# KiCad board pcb.kicad_pcb (continued)
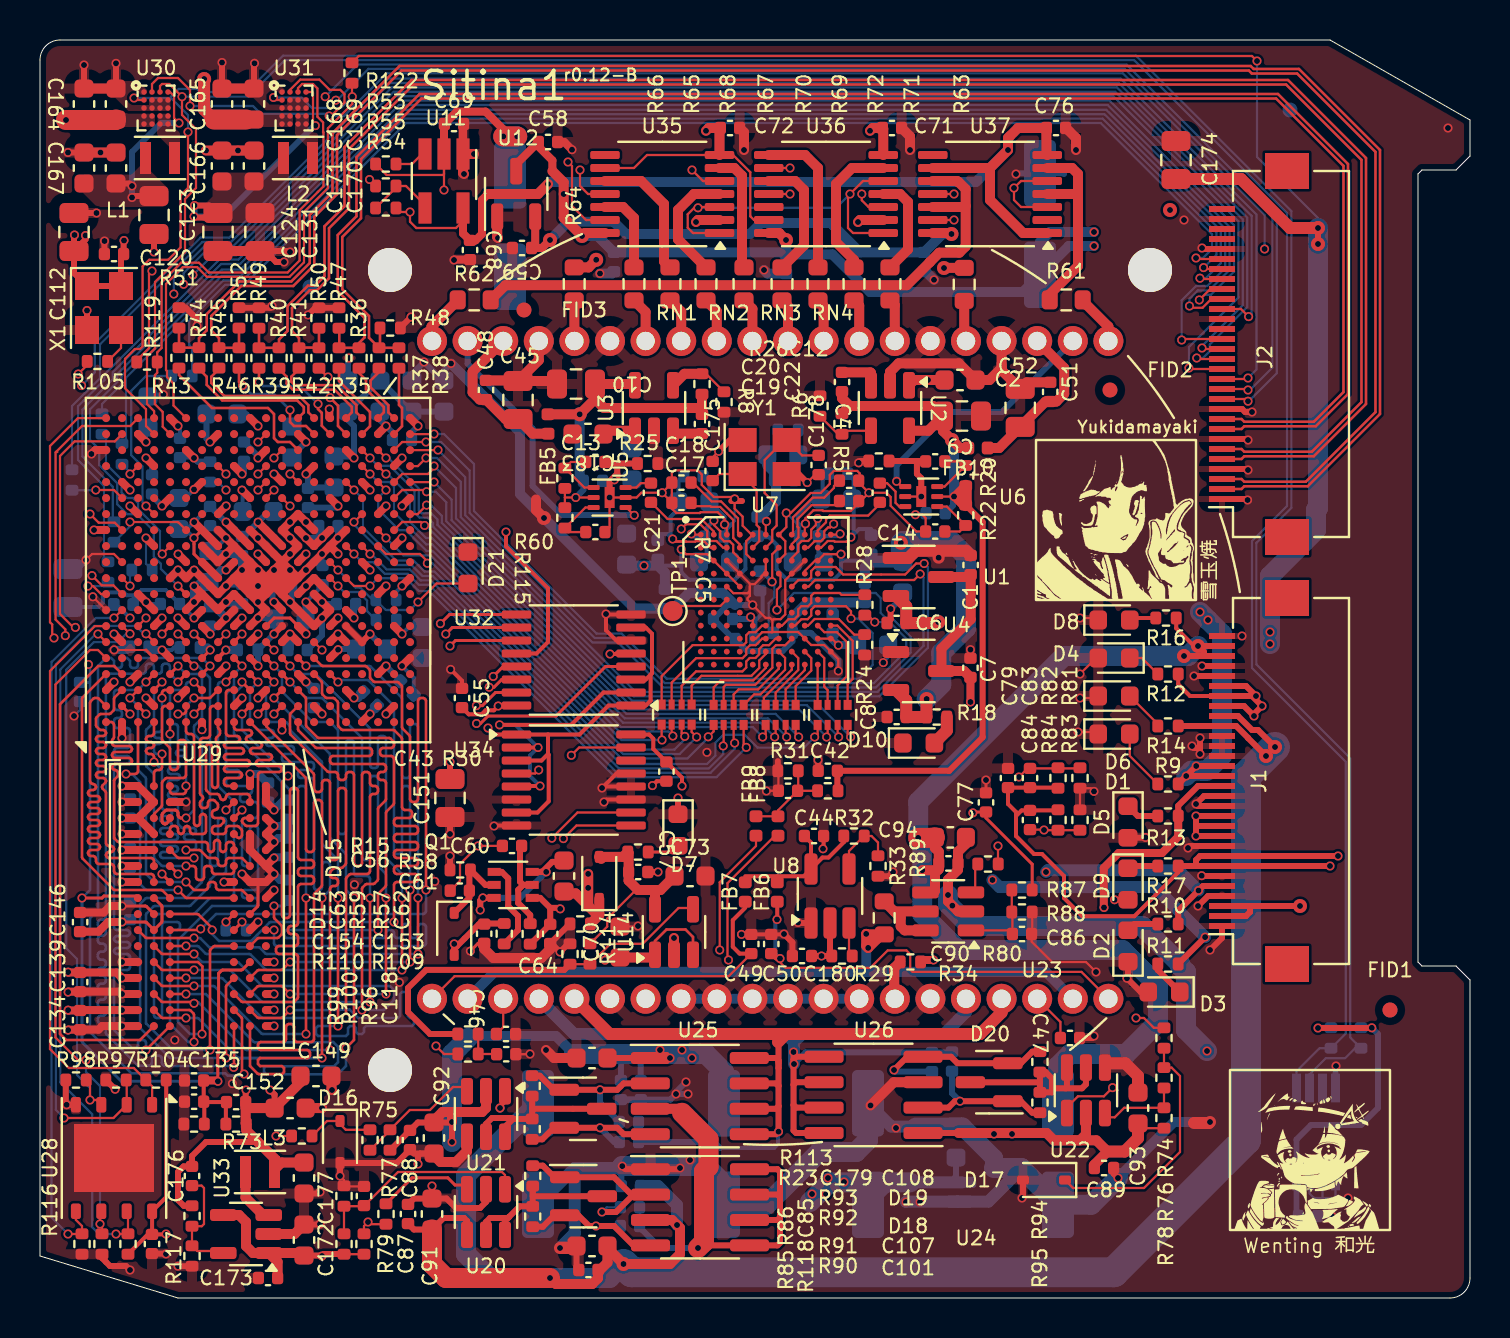
[diagram p0: board, top side]
## Routing (per net, layer and track width the routed paths; a pad name or vN(x,y) marks a point on that pad's centre or on a via; arc(x,y) is an arc through that point) (continued)
/fpga_ddr/DRAM_ADDR5: length 37.9
  Top w0.127: 5.7,15.2 6.07,14.83 arc(6.1,14.81) 6.14,14.8 7.7,14.8 ; 11.3,28.8 11.3,28.64 arc(11.31,28.6) 11.33,28.57 13.67,26.23 arc(13.69,26.2) 13.7,26.16 13.7,25.44 arc(13.71,25.4) 13.73,25.37 13.77,25.33 arc(13.8,25.31) 13.84,25.3 13.96,25.3 arc(14,25.31) 14.03,25.33 14.07,25.37 arc(14.09,25.4) 14.1,25.44 14.1,25.76 arc(14.11,25.8) 14.13,25.83 14.17,25.87 arc(14.2,25.89) 14.24,25.9 14.36,25.9 arc(14.4,25.89) 14.43,25.87 14.47,25.83 arc(14.49,25.8) 14.5,25.76 14.5,22.04 arc(14.51,22) 14.53,21.97 14.57,21.93 arc(14.6,21.91) 14.64,21.9 14.76,21.9 arc(14.8,21.91) 14.83,21.93 14.87,21.97 arc(14.89,22) 14.9,22.04 14.9,25.36 arc(14.91,25.4) 14.93,25.43 14.97,25.47 arc(15,25.49) 15.04,25.5 15.16,25.5 arc(15.2,25.49) 15.23,25.47 15.27,25.43 arc(15.29,25.4) 15.3,25.36 15.3,21.74 arc(15.29,21.7) 15.27,21.67 15.13,21.53 arc(15.1,21.51) 15.06,21.5 14.74,21.5 arc(14.7,21.49) 14.67,21.47 14.53,21.33 arc(14.51,21.3) 14.5,21.26 14.5,21.14 arc(14.51,21.1) 14.53,21.07 14.57,21.03 arc(14.6,21.01) 14.64,21 14.76,21 arc(14.8,20.99) 14.83,20.97 14.87,20.93 arc(14.89,20.9) 14.9,20.86 14.9,20.74 arc(14.89,20.7) 14.87,20.67 14.83,20.63 arc(14.8,20.61) 14.76,20.6 14.64,20.6 arc(14.6,20.59) 14.57,20.57 14.53,20.53 arc(14.51,20.5) 14.5,20.46 v1(14.5,12.4)
  Bottom w0.127: v1(14.5,12.4) 10.34,12.4 arc(10.3,12.41) 10.27,12.43 7.93,14.77 arc(7.9,14.79) 7.86,14.8 7.7,14.8 7.7,14.74 v1(7.7,14.74)
/fpga_ddr/DRAM_ADDR6: length 38.5
  Top w0.127: v1(12.5,14.4) 12.13,14.03 arc(12.1,14.01) 12.06,14 10.94,14 arc(10.9,14.01) 10.87,14.03 10.5,14.4 ; v1(14.9,13.6) v1(14.9,20)
  Top w0.15: 11.3,31.2 v1(11.7,30.8)
  Bottom w0.127: v1(11.7,30.8) 11.3,30.4 11.3,29.04 arc(11.31,29) 11.33,28.97 11.47,28.83 arc(11.5,28.81) 11.54,28.8 12.26,28.8 arc(12.3,28.79) 12.33,28.77 12.47,28.63 arc(12.49,28.6) 12.5,28.56 12.5,28.44 arc(12.51,28.4) 12.53,28.37 14.07,26.83 arc(14.09,26.8) 14.1,26.76 14.1,22.74 arc(14.11,22.7) 14.13,22.67 14.87,21.93 arc(14.89,21.9) 14.9,21.86 v1(14.9,20) ; v1(14.9,13.6) 13.9,13.6 13.8,13.5 13.8,13.2 13.9,13.1 15.3,13.1 15.4,13.2 15.4,13.5 15.5,13.6 15.7,13.6 15.8,13.5 15.8,13.3 15.9,13.2 16.1,13.2 16.2,13.3 16.2,13.5 16.3,13.6 18.6,13.6 18.7,13.7 18.7,13.9 18.6,14 18.5,14 18.4,14.1 18.4,15.2 18.3,15.3 18.1,15.3 18,15.2 18,14.1 17.9,14 15.9,14 15.48,14.42 15.01,14.42 14.98,14.4 12.5,14.4
/fpga_ddr/DRAM_ADDR7: length 38.1
  Top w0.127: v1(14.1,12) v1(14.1,20) ; v1(7.3,14) 6.14,14 arc(6.1,14.01) 6.07,14.03 5.7,14.4
  Top w0.15: v1(10.9,30.8) 10.5,31.2
  Bottom w0.127: v1(7.3,14) 7.86,14 arc(7.9,13.99) 7.93,13.97 9.87,12.03 arc(9.9,12.01) 9.94,12 ; v1(14.1,20) 14.47,20.37 arc(14.49,20.4) 14.5,20.44 14.5,21.66 arc(14.49,21.7) 14.47,21.73 14.43,21.77 arc(14.4,21.79) 14.36,21.8 14.24,21.8 arc(14.2,21.79) 14.17,21.77 14.13,21.73 arc(14.11,21.7) 14.1,21.66 14.1,20.54 arc(14.09,20.5) 14.07,20.47 14.03,20.43 arc(14,20.41) 13.96,20.4 13.84,20.4 arc(13.8,20.41) 13.77,20.43 13.73,20.47 arc(13.71,20.5) 13.7,20.54 13.7,25.86 arc(13.69,25.9) 13.67,25.93 13.63,25.97 arc(13.6,25.99) 13.56,26 13.04,26 arc(13,26.01) 12.97,26.03 12.93,26.07 arc(12.91,26.1) 12.9,26.14 12.9,26.26 arc(12.91,26.3) 12.93,26.33 12.97,26.37 arc(13,26.39) 13.04,26.4 13.56,26.4 arc(13.6,26.41) 13.63,26.43 13.67,26.47 arc(13.69,26.5) 13.7,26.54 13.7,26.66 arc(13.69,26.7) 13.67,26.73 13.63,26.77 arc(13.6,26.79) 13.56,26.8 12.24,26.8 arc(12.2,26.81) 12.17,26.83 12.13,26.87 arc(12.11,26.9) 12.1,26.94 12.1,27.06 arc(12.11,27.1) 12.13,27.13 12.17,27.17 arc(12.2,27.19) 12.24,27.2 12.56,27.2 arc(12.6,27.21) 12.63,27.23 12.67,27.27 arc(12.69,27.3) 12.7,27.34 12.7,27.46 arc(12.69,27.5) 12.67,27.53 12.63,27.57 arc(12.6,27.59) 12.56,27.6 11.44,27.6 arc(11.4,27.61) 11.37,27.63 11.33,27.67 arc(11.31,27.7) 11.3,27.74 11.3,27.86 arc(11.31,27.9) 11.33,27.93 11.37,27.97 arc(11.4,27.99) 11.44,28 11.56,28 arc(11.6,28.01) 11.63,28.03 11.67,28.07 arc(11.69,28.1) 11.7,28.14 11.7,28.26 arc(11.69,28.3) 11.67,28.33 11.63,28.37 arc(11.6,28.39) 11.56,28.4 10.94,28.4 arc(10.9,28.41) 10.87,28.43 10.53,28.77 arc(10.51,28.8) 10.5,28.84 10.5,30.4 v1(10.9,30.8)
  Bottom w0.15: 9.94,12 14.1,12
/fpga_ddr/DRAM_ADDR8: length 38.7
  Top w0.127: 10.5,28.8 13.27,26.03 arc(13.29,26) 13.3,25.96 13.3,22.44 arc(13.31,22.4) 13.33,22.37 13.37,22.33 arc(13.4,22.31) 13.44,22.3 13.56,22.3 arc(13.6,22.31) 13.63,22.33 13.67,22.37 arc(13.69,22.4) 13.7,22.44 13.7,24.76 arc(13.71,24.8) 13.73,24.83 13.77,24.87 arc(13.8,24.89) 13.84,24.9 13.96,24.9 arc(14,24.89) 14.03,24.87 14.07,24.83 arc(14.09,24.8) 14.1,24.76 14.1,20.64 arc(14.09,20.6) 14.07,20.57 13.73,20.23 arc(13.71,20.2) 13.7,20.16 13.7,12.94 arc(13.69,12.9) 13.67,12.87 13.63,12.83 arc(13.6,12.81) 13.56,12.8 12.84,12.8 arc(12.8,12.81) 12.77,12.83 12.73,12.87 arc(12.71,12.9) 12.7,12.94 12.7,13.56 arc(12.69,13.6) 12.67,13.63 12.63,13.67 arc(12.6,13.69) 12.56,13.7 12.44,13.7 arc(12.4,13.69) 12.37,13.67 12.33,13.63 arc(12.31,13.6) 12.3,13.56 12.3,12.94 arc(12.29,12.9) 12.27,12.87 12.23,12.83 arc(12.2,12.81) 12.16,12.8 11.04,12.8 arc(11,12.79) 10.97,12.77 10.93,12.73 arc(10.91,12.7) 10.9,12.66 10.9,12.54 arc(10.91,12.5) 10.93,12.47 10.97,12.43 arc(11,12.41) 11.04,12.4 13.36,12.4 arc(13.4,12.39) 13.43,12.37 13.47,12.33 arc(13.49,12.3) 13.5,12.26 13.5,12.14 arc(13.49,12.1) 13.47,12.07 ; 10.5,13.6 10.5,11.6 10.87,11.22 arc(10.91,11.2) 10.94,11.2 12.1,11.2 12.2,11.3 12.2,11.5 12.2,11.5 12.1,11.6 11,11.6 10.9,11.7 10.9,11.9 11,12 11,12 13.36,12
  Top w0.15: 13.36,12 arc(13.4,12.01) 13.43,12.03
/fpga_ddr/DRAM_ADDR9: length 36.8
  Top w0.127: v1(7.7,12.8) 7.7,14.16 arc(7.69,14.2) 7.67,14.23 7.53,14.37 arc(7.5,14.39) 7.46,14.4 6.5,14.4
  Top w0.15: 9.7,31.2 v1(9.3,30.8)
  Bottom w0.127: v1(7.7,12.8) 7.4,12.8 6.5,13.7 6.5,18.26 arc(6.51,18.3) 6.53,18.33 6.57,18.37 arc(6.6,18.39) 6.64,18.4 6.86,18.4 arc(6.9,18.41) 6.93,18.43 6.97,18.47 arc(6.99,18.5) 7,18.54 7,18.66 arc(6.99,18.7) 6.97,18.73 6.93,18.77 arc(6.9,18.79) 6.86,18.8 6.24,18.8 arc(6.2,18.79) 6.17,18.77 6.13,18.73 arc(6.11,18.7) 6.1,18.66 6.1,14.14 arc(6.09,14.1) 6.07,14.07 6.03,14.03 arc(6,14.01) 5.96,14 5.84,14 arc(5.8,14.01) 5.77,14.03 5.73,14.07 arc(5.71,14.1) 5.7,14.14 5.7,18.96 arc(5.71,19) 5.73,19.03 5.87,19.17 arc(5.9,19.19) 5.94,19.2 7.66,19.2 arc(7.7,19.21) 7.73,19.23 8.47,19.97 arc(8.5,19.99) 8.54,20 9.46,20 arc(9.5,20.01) 9.53,20.03 9.67,20.17 arc(9.69,20.2) 9.7,20.24 9.7,24.76 arc(9.69,24.8) 9.67,24.83 8.93,25.57 arc(8.91,25.6) 8.9,25.64 8.9,30.66 arc(8.91,30.7) 8.93,30.73 8.97,30.77 arc(9,30.79) 9.04,30.8 v1(9.3,30.8)
/fpga_ddr/DRAM_ADDR10: length 37.1
  Top w0.127: 9.7,17.6 8.74,17.6 arc(8.7,17.59) 8.67,17.57 8.53,17.43 arc(8.51,17.4) 8.5,17.36 v1(8.5,12.4)
  Top w0.15: 7.3,32 v1(7.7,31.6)
  Bottom w0.127: v1(7.7,31.6) 7.86,31.6 arc(7.9,31.59) 7.93,31.57 8.47,31.03 arc(8.49,31) 8.5,30.96 8.5,21.74 arc(8.51,21.7) 8.53,21.67 8.57,21.63 arc(8.6,21.61) 8.64,21.6 8.76,21.6 arc(8.8,21.61) 8.83,21.63 8.87,21.67 arc(8.89,21.7) 8.9,21.74 8.9,23.86 arc(8.91,23.9) 8.93,23.93 8.97,23.97 arc(9,23.99) 9.04,24 9.16,24 arc(9.2,23.99) 9.23,23.97 9.27,23.93 arc(9.29,23.9) 9.3,23.86 9.3,21.34 arc(9.29,21.3) 9.27,21.27 9.23,21.23 arc(9.2,21.21) 9.16,21.2 8.84,21.2 arc(8.8,21.19) 8.77,21.17 8.53,20.93 arc(8.51,20.9) 8.5,20.86 8.5,20.64 arc(8.49,20.6) 8.47,20.57 7.53,19.63 arc(7.5,19.61) 7.46,19.6 5.74,19.6 arc(5.7,19.59) 5.67,19.57 5.33,19.23 arc(5.31,19.2) 5.3,19.16 5.3,13.73 6.63,12.4 v1(8.5,12.4)
/fpga_ddr/DRAM_ADDR11: length 38.4
  Top w0.127: 9.7,14.4 10.07,14.03 arc(10.09,14.01) 10.1,13.98 10.1,11.3 v1(10.2,11.2)
  Top w0.15: 8.1,31.2 v1(8.5,31.6)
  Bottom w0.127: v1(8.5,31.6) 8.1,32 5,32 4.9,31.9 4.9,31.64 arc(4.89,31.6) 4.87,31.57 4.83,31.53 arc(4.8,31.51) 4.76,31.5 4.64,31.5 arc(4.6,31.51) 4.57,31.53 4.53,31.57 arc(4.51,31.6) 4.5,31.64 4.5,31.86 4.36,32 4.2,32 4.1,31.9 4.1,31.64 arc(4.09,31.6) 4.07,31.57 4.03,31.53 arc(4,31.51) 3.96,31.5 3.84,31.5 arc(3.8,31.51) 3.77,31.53 3.73,31.57 arc(3.71,31.6) 3.7,31.64 3.7,31.86 3.56,32 3.3,32 2.93,31.63 arc(2.91,31.6) 2.9,31.56 2.9,19.44 arc(2.89,19.4) 2.87,19.37 2.53,19.03 arc(2.51,19) 2.5,18.96 2.5,13.34 arc(2.51,13.3) 2.53,13.27 4.57,11.23 ; 4.58,11.24 9.26,11.24 9.38,11.12 10.12,11.12 v1(10.2,11.2)
/fpga_ddr/DRAM_ADDR12: length 31.3
  Top w0.127: 9.7,16 9.33,15.63 arc(9.31,15.6) 9.3,15.56 v1(9.3,12)
  Top w0.15: 6.5,31.2 v1(6.9,31.6)
  Bottom w0.127: v1(6.9,31.6) 7.27,31.23 arc(7.3,31.21) 7.34,31.2 7.86,31.2 arc(7.9,31.19) 7.93,31.17 8.07,31.03 arc(8.09,31) 8.1,30.96 8.1,29.04 arc(8.09,29) 8.07,28.97 7.73,28.63 arc(7.71,28.6) 7.7,28.56 7.7,28.24 arc(7.71,28.2) 7.73,28.17 8.07,27.83 arc(8.09,27.8) 8.1,27.76 8.1,20.84 arc(8.09,20.8) 8.07,20.77 7.33,20.03 arc(7.3,20.01) 7.26,20 5.34,20 arc(5.3,19.99) 5.27,19.97 5,19.7 5,13.5 6.47,12.03 arc(6.5,12.01) 6.54,12 v1(9.3,12)
/fpga_ddr/DRAM_ADDR13: length 30.8
  Top w0.127: v1(5.3,12.4) 6.5,13.6
  Top w0.15: 5.7,31.2 v1(5.3,30.8)
  Bottom w0.127: v1(5.3,30.8) 4.93,30.43 arc(4.9,30.41) 4.86,30.4 3.84,30.4 arc(3.8,30.39) 3.77,30.37 3.73,30.33 arc(3.71,30.3) 3.7,30.26 3.7,29.54 arc(3.71,29.5) 3.73,29.47 3.77,29.43 arc(3.8,29.41) 3.84,29.4 3.96,29.4 arc(4,29.39) 4.03,29.37 4.07,29.33 arc(4.09,29.3) 4.1,29.26 4.1,29.14 arc(4.09,29.1) 4.07,29.07 4.03,29.03 arc(4,29.01) 3.96,29 3.84,29 arc(3.8,28.99) 3.77,28.97 3.73,28.93 arc(3.71,28.9) 3.7,28.86 3.7,28.64 arc(3.71,28.6) 3.73,28.57 3.77,28.53 arc(3.8,28.51) 3.84,28.5 4.36,28.5 arc(4.4,28.49) 4.43,28.47 4.47,28.43 arc(4.49,28.4) 4.5,28.36 4.5,27.64 arc(4.49,27.6) 4.47,27.57 4.43,27.53 arc(4.4,27.51) 4.36,27.5 3.84,27.5 arc(3.8,27.49) 3.77,27.47 3.73,27.43 arc(3.71,27.4) 3.7,27.36 3.7,27.24 arc(3.71,27.2) 3.73,27.17 3.77,27.13 arc(3.8,27.11) 3.84,27.1 4.36,27.1 arc(4.4,27.09) 4.43,27.07 4.47,27.03 arc(4.49,27) 4.5,26.96 4.5,26.84 arc(4.49,26.8) 4.47,26.77 4.43,26.73 arc(4.4,26.71) 4.36,26.7 3.84,26.7 arc(3.8,26.69) 3.77,26.67 3.73,26.63 arc(3.71,26.6) 3.7,26.56 3.7,18.54 arc(3.71,18.5) 3.73,18.47 3.77,18.43 arc(3.8,18.41) 3.84,18.4 4.36,18.4 arc(4.4,18.39) 4.43,18.37 4.47,18.33 arc(4.49,18.3) 4.5,18.26 4.5,18.24 arc(4.49,18.2) 4.47,18.17 4.43,18.13 arc(4.4,18.11) 4.36,18.1 3.84,18.1 arc(3.8,18.09) 3.77,18.07 3.73,18.03 arc(3.71,18) 3.7,17.96 3.7,17.94 arc(3.71,17.9) 3.73,17.87 3.77,17.83 arc(3.8,17.81) 3.84,17.8 4.36,17.8 arc(4.4,17.79) 4.43,17.77 4.47,17.73 arc(4.49,17.7) 4.5,17.66 4.5,17.64 arc(4.49,17.6) 4.47,17.57 4.43,17.53 arc(4.4,17.51) 4.36,17.5 3.84,17.5 arc(3.8,17.49) 3.77,17.47 3.73,17.43 arc(3.71,17.4) 3.7,17.36 3.7,17.34 arc(3.71,17.3) 3.73,17.27 3.77,17.23 arc(3.8,17.21) 3.84,17.2 4.36,17.2 arc(4.4,17.19) 4.43,17.17 4.47,17.13 arc(4.49,17.1) 4.5,17.06 4.5,16.54 arc(4.49,16.5) 4.47,16.47 4.43,16.43 arc(4.4,16.41) 4.36,16.4 3.84,16.4 arc(3.8,16.39) 3.77,16.37 3.73,16.33 arc(3.71,16.3) 3.7,16.26 3.7,13.44 arc(3.71,13.4) 3.73,13.37 4.57,12.53 arc(4.6,12.51) 4.64,12.5 4.76,12.5 arc(4.8,12.51) 4.83,12.53 4.87,12.57 arc(4.89,12.6) 4.9,12.64 4.9,12.76 arc(4.91,12.8) 4.93,12.83 4.97,12.87 arc(5,12.89) 5.04,12.9 5.16,12.9 arc(5.2,12.89) 5.23,12.87 5.27,12.83 arc(5.29,12.8) 5.3,12.76 v1(5.3,12.4)
/fpga_ddr/DRAM_ADDR14: length 37.3
  Top w0.127: 9.7,13.6 9.7,11.6
  Top w0.15: 7.3,31.2 v1(6.9,30.8)
  Bottom w0.127: 9.69,11.62 9.68,11.6 6.25,11.6 6.24,11.62 arc(6.2,11.62) 6.17,11.64 6.12,11.69 arc(6.1,11.72) 6.09,11.76 6.09,11.97 arc(6.09,12.01) 6.07,12.04 6.02,12.09 arc(5.99,12.11) 5.95,12.12 5.74,12.12 arc(5.7,12.11) 5.67,12.09 5.62,12.04 arc(5.6,12.01) 5.59,11.97 5.59,11.76 arc(5.59,11.72) 5.57,11.69 5.52,11.64 arc(5.49,11.62) 5.45,11.62 4.94,11.62 arc(4.9,11.62) 4.87,11.64 3.32,13.19 arc(3.3,13.22) 3.29,13.26 3.29,13.57 arc(3.29,13.61) 3.27,13.64 3.22,13.69 arc(3.19,13.71) 3.15,13.72 3.04,13.72 arc(3,13.72) 2.97,13.74 2.92,13.79 arc(2.9,13.82) 2.89,13.86 2.89,13.97 arc(2.9,14.01) 2.92,14.04 2.97,14.09 arc(3,14.11) 3.04,14.12 3.15,14.12 arc(3.19,14.12) 3.22,14.14 3.27,14.19 arc(3.29,14.22) 3.29,14.26 3.29,14.37 arc(3.29,14.41) 3.27,14.44 3.22,14.49 arc(3.19,14.51) 3.15,14.52 3.04,14.52 arc(3,14.52) 2.97,14.54 2.92,14.59 arc(2.9,14.62) 2.89,14.66 2.89,14.77 arc(2.9,14.81) 2.92,14.84 2.97,14.89 arc(3,14.91) 3.04,14.92 3.15,14.92 arc(3.19,14.92) 3.22,14.94 3.27,14.99 arc(3.29,15.02) 3.29,15.06 3.29,15.17 arc(3.29,15.21) 3.27,15.24 3.22,15.29 arc(3.19,15.31) 3.15,15.32 3.04,15.32 arc(3,15.32) 2.97,15.34 2.92,15.39 arc(2.9,15.42) 2.89,15.46 2.89,15.57 arc(2.9,15.61) 2.92,15.64 2.97,15.69 arc(3,15.71) 3.04,15.72 3.15,15.72 arc(3.19,15.72) 3.22,15.74 3.27,15.79 arc(3.29,15.82) 3.29,15.86 3.29,15.97 arc(3.29,16.01) 3.27,16.04 3.22,16.09 arc(3.19,16.11) 3.15,16.12 3.04,16.12 arc(3,16.12) 2.97,16.14 2.92,16.19 arc(2.9,16.22) 2.89,16.26 2.89,16.37 arc(2.9,16.41) 2.92,16.44 2.97,16.49 arc(3,16.51) 3.04,16.52 3.15,16.52 arc(3.19,16.52) 3.22,16.54 3.27,16.59 arc(3.29,16.62) 3.29,16.66 3.29,16.77 arc(3.29,16.81) 3.27,16.84 3.22,16.89 arc(3.19,16.91) 3.15,16.92 3.04,16.92 arc(3,16.92) 2.97,16.94 2.92,16.99 arc(2.9,17.02) 2.89,17.06 2.89,17.17 arc(2.9,17.21) 2.92,17.24 2.97,17.29 arc(3,17.31) 3.04,17.32 3.15,17.32 arc(3.19,17.32) 3.22,17.34 3.27,17.39 arc(3.29,17.42) 3.29,17.46 3.29,17.57 arc(3.29,17.61) 3.27,17.64 3.22,17.69 arc(3.19,17.71) 3.15,17.72 3.04,17.72 arc(3,17.72) 2.97,17.74 2.92,17.79 arc(2.9,17.82) 2.89,17.86 2.89,17.97 arc(2.9,18.01) 2.92,18.04 2.97,18.09 arc(3,18.11) 3.04,18.12 3.15,18.12 arc(3.19,18.12) 3.22,18.14 3.27,18.19 arc(3.29,18.22) 3.29,18.26 3.29,18.37 arc(3.29,18.41) 3.27,18.44 3.22,18.49 arc(3.19,18.51) 3.15,18.52 3.04,18.52 arc(3,18.52) 2.97,18.54 2.92,18.59 arc(2.9,18.62) 2.89,18.66 2.89,18.77 arc(2.9,18.81) 2.92,18.84 2.97,18.89 arc(3,18.91) 3.04,18.92 3.15,18.92 arc(3.19,18.92) 3.22,18.94 3.27,18.99 arc(3.29,19.02) 3.29,19.06 3.29,30.97 arc(3.3,31.01) 3.32,31.04 3.47,31.19 arc(3.5,31.21) 3.54,31.22 5.15,31.22 arc(5.19,31.22) 5.22,31.24 5.27,31.29 arc(5.29,31.32) 5.29,31.36 5.29,31.57 arc(5.3,31.61) 5.32,31.64 5.37,31.69 arc(5.4,31.71) 5.44,31.72 5.55,31.72 arc(5.59,31.71) 5.62,31.69 5.67,31.64 arc(5.69,31.61) 5.69,31.57 5.69,31.36 arc(5.7,31.32) 5.72,31.29 5.77,31.24 arc(5.8,31.22) 5.84,31.22 5.95,31.22 arc(5.99,31.22) 6.02,31.24 6.07,31.29 arc(6.09,31.32) 6.09,31.36 6.09,31.57 arc(6.1,31.61) 6.12,31.64 6.17,31.69 arc(6.2,31.71) 6.24,31.72 6.35,31.72 arc(6.39,31.71) 6.42,31.69 6.47,31.64 arc(6.49,31.61) 6.49,31.57 6.49,31.26 arc(6.5,31.22) 6.52,31.19 6.89,30.82
  Bottom w0.15: v1(9.69,11.53) 9.69,11.62 9.69,11.62
/fpga_ddr/DRAM_BA0: length 41.4
  Top w0.127: v1(16.5,14.8) v1(16.5,20) ; 5.7,16.8 6.07,16.43 arc(6.1,16.41) 6.14,16.4 v1(7.7,16.4)
  Top w0.15: v1(11.7,31.6) 11.3,32
  Bottom w0.127: v1(11.7,31.6) 12.07,31.23 arc(12.09,31.2) 12.1,31.16 12.1,30.32 13.62,28.8 14.46,28.8 arc(14.5,28.79) 14.53,28.77 14.87,28.43 arc(14.89,28.4) 14.9,28.36 14.9,23.34 arc(14.91,23.3) 14.93,23.27 14.97,23.23 arc(15,23.21) 15.04,23.2 15.16,23.2 arc(15.2,23.21) 15.23,23.23 15.27,23.27 arc(15.29,23.3) 15.3,23.34 15.3,27.76 arc(15.31,27.8) 15.33,27.83 15.37,27.87 arc(15.4,27.89) 15.44,27.9 15.56,27.9 arc(15.6,27.89) 15.63,27.87 15.67,27.83 arc(15.69,27.8) 15.7,27.76 15.7,21.24 arc(15.71,21.2) 15.73,21.17 15.77,21.13 arc(15.8,21.11) 15.84,21.1 16.36,21.1 arc(16.4,21.09) 16.43,21.07 16.47,21.03 arc(16.49,21) 16.5,20.96 v1(16.5,20) ; v1(7.7,16.4) 9.46,16.4 arc(9.5,16.39) 9.53,16.37 11.07,14.83 arc(11.1,14.81) 11.14,14.8 v1(16.5,14.8)
/fpga_ddr/DRAM_BA1: length 32.4
  Top w0.127: 10.5,16 10.87,16.37 arc(10.9,16.39) 10.94,16.4 12.06,16.4 arc(12.1,16.41) 12.13,16.43 v1(12.5,16.8) ; v1(18.5,16.8) v1(18.5,20.4)
  Top w0.15: 14.5,31.2 v1(14.9,30.8)
  Bottom w0.127: v1(18.5,20.4) 18.5,25.46 arc(18.49,25.5) 18.47,25.53 18.43,25.57 arc(18.4,25.59) 18.36,25.6 18.24,25.6 arc(18.2,25.59) 18.17,25.57 18.13,25.53 arc(18.11,25.5) 18.1,25.46 18.1,22.34 arc(18.09,22.3) 18.07,22.27 18.03,22.23 arc(18,22.21) 17.96,22.2 17.84,22.2 arc(17.8,22.21) 17.77,22.23 17.73,22.27 arc(17.71,22.3) 17.7,22.34 17.7,29.6 16.4,30.9 15,30.9 v1(14.9,30.8) ; v1(18.5,16.8) v1(12.5,16.8)
/fpga_ddr/DRAM_BA2: length 38.2
  Top w0.127: 6.5,16.8 7.9,16.8 8.12,16.58 8.12,13.22 v1(8.1,13.2)
  Top w0.15: 9.7,32 v1(10.1,31.6)
  Bottom w0.127: v1(8.1,13.2) 7.54,13.2 arc(7.5,13.21) 7.47,13.23 6.93,13.77 arc(6.91,13.8) 6.9,13.84 6.9,17.9 8.6,19.6 10.76,19.6 arc(10.8,19.61) 10.83,19.63 10.87,19.67 arc(10.89,19.7) 10.9,19.74 10.9,19.86 arc(10.89,19.9) 10.87,19.93 10.83,19.97 arc(10.8,19.99) 10.76,20 10.24,20 arc(10.2,20.01) 10.17,20.03 10.13,20.07 arc(10.11,20.1) 10.1,20.14 10.1,20.26 arc(10.11,20.3) 10.13,20.33 10.17,20.37 arc(10.2,20.39) 10.24,20.4 10.76,20.4 arc(10.8,20.41) 10.83,20.43 10.87,20.47 arc(10.89,20.5) 10.9,20.54 10.9,23.46 arc(10.89,23.5) 10.87,23.53 10.83,23.57 arc(10.8,23.59) 10.76,23.6 10.64,23.6 arc(10.6,23.59) 10.57,23.57 10.53,23.53 arc(10.51,23.5) 10.5,23.46 10.5,21.74 arc(10.49,21.7) 10.47,21.67 10.43,21.63 arc(10.4,21.61) 10.36,21.6 10.24,21.6 arc(10.2,21.61) 10.17,21.63 10.13,21.67 arc(10.11,21.7) 10.1,21.74 10.1,23.86 arc(10.11,23.9) 10.13,23.93 10.17,23.97 arc(10.2,23.99) 10.24,24 10.76,24 arc(10.8,24.01) 10.83,24.03 10.87,24.07 arc(10.89,24.1) 10.9,24.14 10.9,24.66 arc(10.89,24.7) 10.87,24.73 10.83,24.77 arc(10.8,24.79) 10.76,24.8 10.14,24.8 arc(10.1,24.81) 10.07,24.83 10.03,24.87 arc(10.01,24.9) 10,24.94 10,25.06 arc(10.01,25.1) 10.03,25.13 10.07,25.17 arc(10.1,25.19) 10.14,25.2 10.46,25.2 arc(10.5,25.21) 10.53,25.23 10.57,25.27 arc(10.59,25.3) 10.6,25.34 10.6,25.46 arc(10.59,25.5) 10.57,25.53 10.53,25.57 arc(10.5,25.59) 10.46,25.6 9.44,25.6 arc(9.4,25.61) 9.37,25.63 9.33,25.67 arc(9.31,25.7) 9.3,25.74 9.3,25.86 arc(9.31,25.9) 9.33,25.93 9.37,25.97 arc(9.4,25.99) 9.44,26 9.86,26 arc(9.9,26.01) 9.93,26.03 9.97,26.07 arc(9.99,26.1) 10,26.14 10,26.26 arc(9.99,26.3) 9.97,26.33 9.93,26.37 arc(9.9,26.39) 9.86,26.4 9.44,26.4 arc(9.4,26.41) 9.37,26.43 9.33,26.47 arc(9.31,26.5) 9.3,26.54 9.3,30.16 arc(9.31,30.2) 9.33,30.23 9.67,30.57 arc(9.69,30.6) 9.7,30.64 9.7,31.16 arc(9.71,31.2) 9.73,31.23 v1(10.1,31.6)
/fpga_ddr/DRAM_CASB: length 40.7
  Top w0.127: 6.5,18.4 7.98,18.4 v1(8.03,18.46) ; 13.7,32 14.07,31.63 arc(14.1,31.61) 14.14,31.6 16.26,31.6 arc(16.3,31.59) 16.33,31.57 16.47,31.43 arc(16.49,31.4) 16.5,31.36 16.5,31.04 arc(16.51,31) 16.53,30.97 16.67,30.83 arc(16.7,30.81) 16.74,30.8 17.86,30.8 arc(17.9,30.79) 17.93,30.77 18.07,30.63 arc(18.09,30.6) 18.1,30.56 18.1,28.54 arc(18.11,28.5) 18.13,28.47 18.47,28.13 arc(18.49,28.1) 18.5,28.06 18.5,24.94 arc(18.51,24.9) 18.53,24.87 18.57,24.83 arc(18.6,24.81) 18.64,24.8 18.76,24.8 arc(18.8,24.81) 18.83,24.83 18.87,24.87 arc(18.89,24.9) 18.9,24.94 18.9,29.86 arc(18.91,29.9) 18.93,29.93 18.97,29.97 arc(19,29.99) 19.04,30 19.16,30 arc(19.2,29.99) 19.23,29.97 19.27,29.93 arc(19.29,29.9) 19.3,29.86 v1(19.3,20.4)
  Bottom w0.127: v1(19.3,20.4) 19.3,19.34 arc(19.29,19.3) 19.27,19.27 19.23,19.23 arc(19.2,19.21) 19.16,19.2 8.8,19.2 8.06,18.46 v1(8.03,18.46)
/fpga_ddr/DRAM_CKE: length 41.5
  Top w0.127: 12.9,30.4 13.27,30.03 arc(13.29,30) 13.3,29.96 13.3,28.64 arc(13.31,28.6) 13.33,28.57 13.87,28.03 arc(13.9,28.01) 13.94,28 17.46,28 arc(17.5,27.99) 17.53,27.97 17.67,27.83 arc(17.69,27.8) 17.7,27.76 17.7,27.64 arc(17.69,27.6) 17.67,27.57 17.63,27.53 arc(17.6,27.51) 17.56,27.5 17.14,27.5 arc(17.1,27.49) 17.07,27.47 17.03,27.43 arc(17.01,27.4) 17,27.36 17,27.24 arc(17.01,27.2) 17.03,27.17 17.07,27.13 arc(17.1,27.11) 17.14,27.1 17.56,27.1 arc(17.6,27.09) 17.63,27.07 17.67,27.03 arc(17.69,27) 17.7,26.96 17.7,24.74 arc(17.69,24.7) 17.67,24.67 17.33,24.33 arc(17.31,24.3) 17.3,24.26 17.3,20.64 arc(17.29,20.6) 17.27,20.57 16.93,20.23 arc(16.91,20.2) 16.9,20.16 v1(16.9,18.4)
  Top w0.15: 11.3,18.4 v1(11.7,18.4)
  Bottom w0.127: v1(11.7,18.4) 11.7,17.74 arc(11.71,17.7) 11.73,17.67 11.77,17.63 arc(11.8,17.61) 11.84,17.6 19.16,17.6 arc(19.2,17.61) 19.23,17.63 19.27,17.67 arc(19.29,17.7) 19.3,17.74 19.3,18.56 arc(19.29,18.6) 19.27,18.63 19.23,18.67 arc(19.2,18.69) 19.16,18.7 19.04,18.7 arc(19,18.69) 18.97,18.67 18.93,18.63 arc(18.91,18.6) 18.9,18.56 18.9,18.14 arc(18.89,18.1) 18.87,18.07 18.83,18.03 arc(18.8,18.01) 18.76,18 18.64,18 arc(18.6,18.01) 18.57,18.03 18.53,18.07 arc(18.51,18.1) 18.5,18.14 18.5,18.56 arc(18.49,18.6) 18.47,18.63 18.43,18.67 arc(18.4,18.69) 18.36,18.7 18.24,18.7 arc(18.2,18.69) 18.17,18.67 18.13,18.63 arc(18.11,18.6) 18.1,18.56 18.1,18.14 arc(18.09,18.1) 18.07,18.07 18.03,18.03 arc(18,18.01) 17.96,18 17.84,18 arc(17.8,18.01) 17.77,18.03 17.73,18.07 arc(17.71,18.1) 17.7,18.14 17.7,18.26 arc(17.69,18.3) 17.67,18.33 17.63,18.37 arc(17.6,18.39) 17.56,18.4 17.44,18.4 arc(17.4,18.39) 17.37,18.37 17.33,18.33 arc(17.31,18.3) 17.3,18.26 17.3,18.14 arc(17.29,18.1) 17.27,18.07 17.23,18.03 arc(17.2,18.01) 17.16,18 12.34,18 arc(12.3,18.01) 12.27,18.03 12.23,18.07 arc(12.21,18.1) 12.2,18.14 12.2,18.26 arc(12.21,18.3) 12.23,18.33 12.27,18.37 arc(12.3,18.39) 12.34,18.4 v1(16.9,18.4)
/fpga_ddr/DRAM_CKN: length 38.1
  Top w0.15: 9.7,18.4 v1(10.1,18.8) ; 12.1,29.6 v1(11.7,29.2)
  In2.Cu w0.127: v1(11.7,29.2) 11.44,29.2 arc(11.4,29.19) 11.37,29.17 11.33,29.13 arc(11.31,29.1) 11.3,29.06 11.3,28.54 arc(11.31,28.5) 11.33,28.47 11.37,28.43 arc(11.4,28.41) 11.44,28.4 11.56,28.4 arc(11.6,28.41) 11.63,28.43 11.67,28.47 arc(11.69,28.5) 11.7,28.54 11.7,28.66 arc(11.71,28.7) 11.73,28.73 11.77,28.77 arc(11.8,28.79) 11.84,28.8 11.96,28.8 arc(12,28.81) 12.03,28.83 12.07,28.87 arc(12.09,28.9) 12.1,28.94 12.1,29.1 arc(12.11,29.14) 12.13,29.17 12.13,29.25 12.76,29.89 14.9,29.89 15.9,30.89 17.81,30.89 18,30.7 18.3,30.7 18.49,30.89 18.75,30.89 19.76,29.88 arc(19.78,29.85) 19.79,29.81 19.79,29.63 arc(19.78,29.59) 19.76,29.56 19.63,29.43 arc(19.61,29.4) 19.6,29.36 19.6,29.24 arc(19.61,29.2) 19.63,29.17 19.76,29.04 arc(19.78,29.01) 19.79,28.97 19.79,21.91 20.37,21.32 20.37,19.67 16.81,16.11 13,16.11 arc(12.96,16.12) 12.93,16.14 12.72,16.36 arc(12.68,16.38) 12.65,16.39 12.63,16.4 11.53,16.4 11.27,16.14 arc(11.24,16.12) 11.2,16.11 10.19,16.11 arc(10.15,16.12) 10.12,16.14 9.84,16.42 arc(9.82,16.45) 9.81,16.49 9.81,16.57 arc(9.82,16.61) 9.84,16.64 9.97,16.77 arc(9.99,16.8) 10,16.84 10,16.96 arc(9.99,17) 9.97,17.03 9.84,17.16 arc(9.82,17.19) 9.81,17.23 9.81,18.47 arc(9.82,18.51) 9.84,18.54 v1(10.1,18.8)
/fpga_ddr/DRAM_CKP: length 37.7
  Top w0.15: 9.7,19.2 v1(9.3,18.8) ; 11.3,29.6 v1(10.9,29.2)
  In2.Cu w0.127: v1(10.9,29.2) 11.26,29.56 11.27,29.57 11.31,29.59 11.33,29.59 11.85,29.59 11.86,29.59 11.9,29.57 11.96,29.51 11.98,29.5 12.02,29.48 12.04,29.48 12.67,30.11 14.81,30.11 15.81,31.11 18.85,31.11 20.01,29.95 20.01,22 20.6,21.41 20.6,19.58 16.91,15.89 13,15.89 12.98,15.89 12.95,15.87 12.93,15.86 12.72,15.64 12.7,15.63 12.66,15.61 12.65,15.61 12.63,15.6 11.53,15.6 11.27,15.86 11.25,15.87 11.22,15.89 11.2,15.89 10.09,15.89 10.07,15.89 10.04,15.9 10.02,15.91 9.61,16.32 9.6,16.34 9.59,16.37 9.59,16.39 9.59,18.47 9.59,18.49 9.57,18.53 9.56,18.54 v1(9.3,18.8)
/fpga_ddr/DRAM_CSB: length 38.5
  Top w0.127: 12.9,28.8 12.9,28.44 arc(12.91,28.4) 12.93,28.37 13.77,27.53 arc(13.8,27.51) 13.84,27.5 16.46,27.5 arc(16.5,27.49) 16.53,27.47 16.57,27.43 arc(16.59,27.4) 16.6,27.36 16.6,27.24 arc(16.59,27.2) 16.57,27.17 16.53,27.13 arc(16.5,27.11) 16.46,27.1 14.64,27.1 arc(14.6,27.09) 14.57,27.07 14.53,27.03 arc(14.51,27) 14.5,26.96 14.5,26.84 arc(14.51,26.8) 14.53,26.77 14.57,26.73 arc(14.6,26.71) 14.64,26.7 17.16,26.7 arc(17.2,26.69) 17.23,26.67 17.27,26.63 arc(17.29,26.6) 17.3,26.56 17.3,26.44 arc(17.29,26.4) 17.27,26.37 17.23,26.33 arc(17.2,26.31) 17.16,26.3 17.04,26.3 arc(17,26.29) 16.97,26.27 16.93,26.23 arc(16.91,26.2) 16.9,26.16 16.9,26.04 arc(16.91,26) 16.93,25.97 16.97,25.93 arc(17,25.91) 17.04,25.9 17.16,25.9 arc(17.2,25.89) 17.23,25.87 17.27,25.83 arc(17.29,25.8) 17.3,25.76 17.3,24.94 arc(17.29,24.9) 17.27,24.87 16.93,24.53 arc(16.91,24.5) 16.9,24.46 16.9,20.94 arc(16.89,20.9) 16.87,20.87 16.73,20.73 arc(16.7,20.71) 16.66,20.7 16.34,20.7 arc(16.3,20.69) 16.27,20.67 16.13,20.53 arc(16.11,20.5) 16.1,20.46 v1(16.1,14.4) ; 5.7,17.6 6.07,17.23 arc(6.1,17.21) 6.14,17.2 v1(7.7,17.2)